# Altium PCB wifi-plug.PcbDoc
Units mm, origin at the board's own origin, x right, y up, seen from the top; angles counter-clockwise.
Board outline 78.5 x 47 mm, 2 copper layers (Top Layer, Bottom Layer); 62 components, 37 nets, 164 pads, 69 vias.
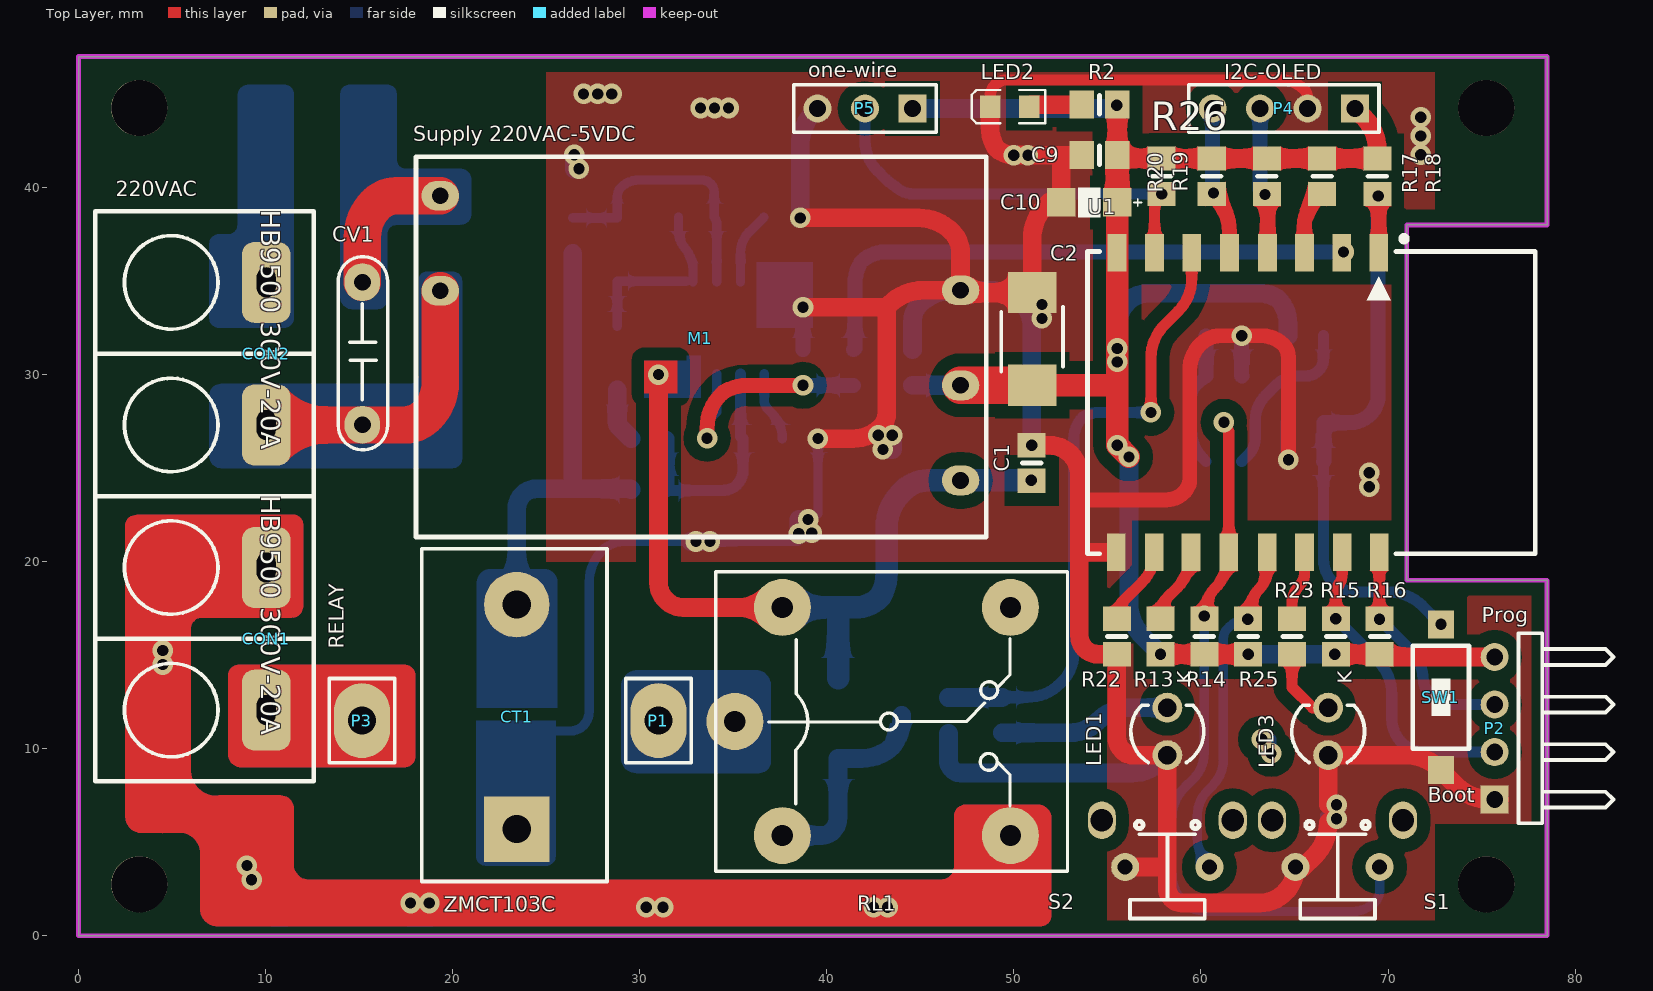
[diagram p0: Top Layer view]
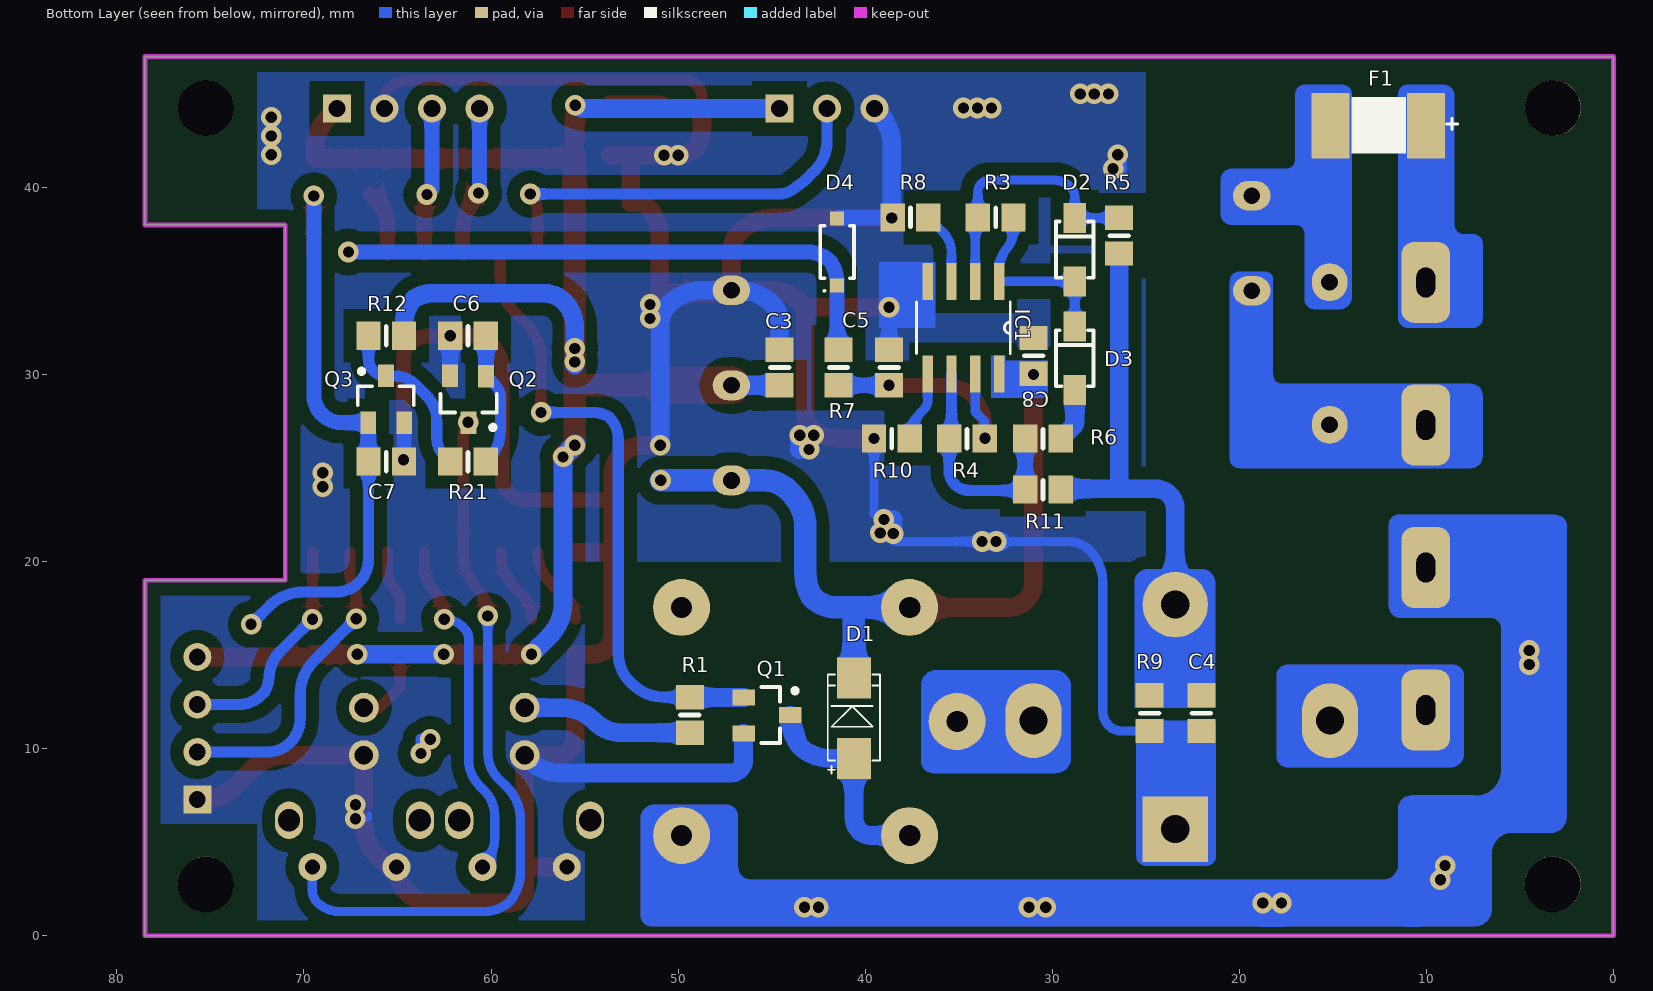
[diagram p1: Bottom Layer view, seen from below]
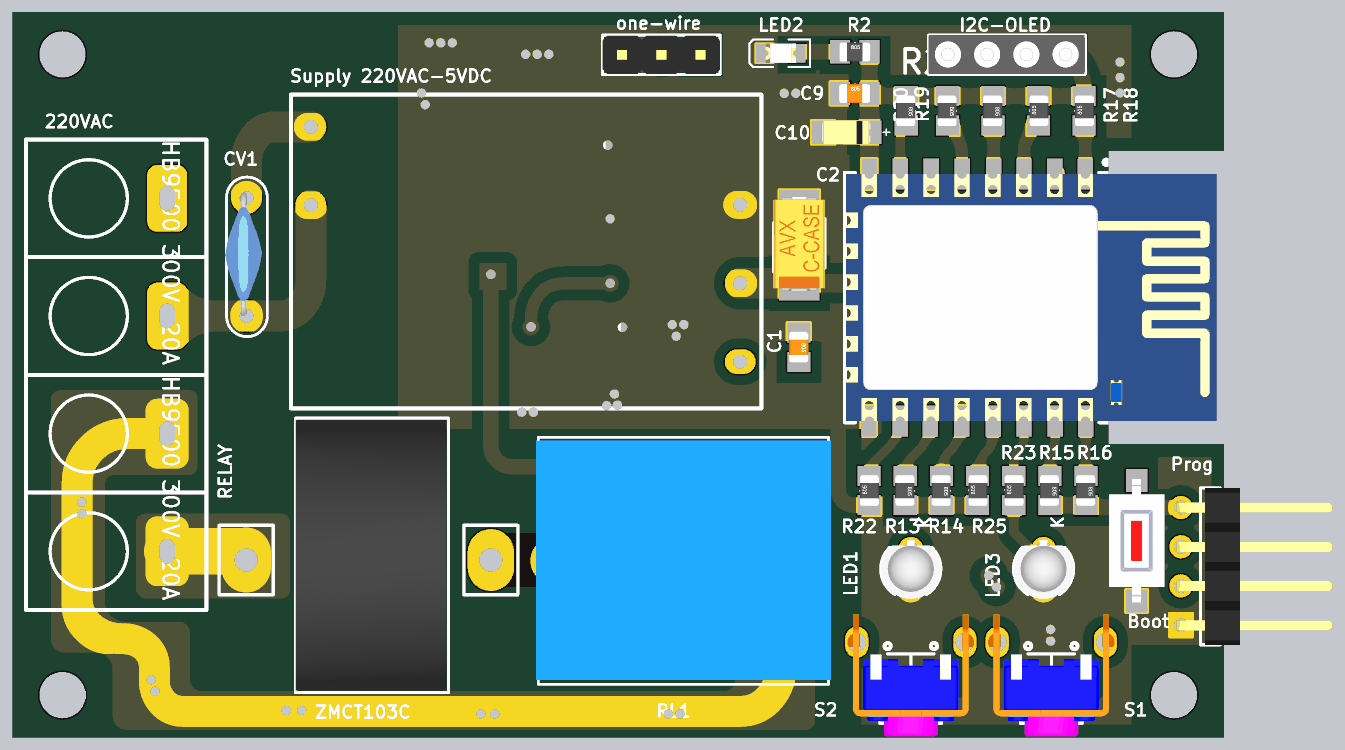
[diagram p2: 3D render of the assembled board from above, using the file's embedded part models]
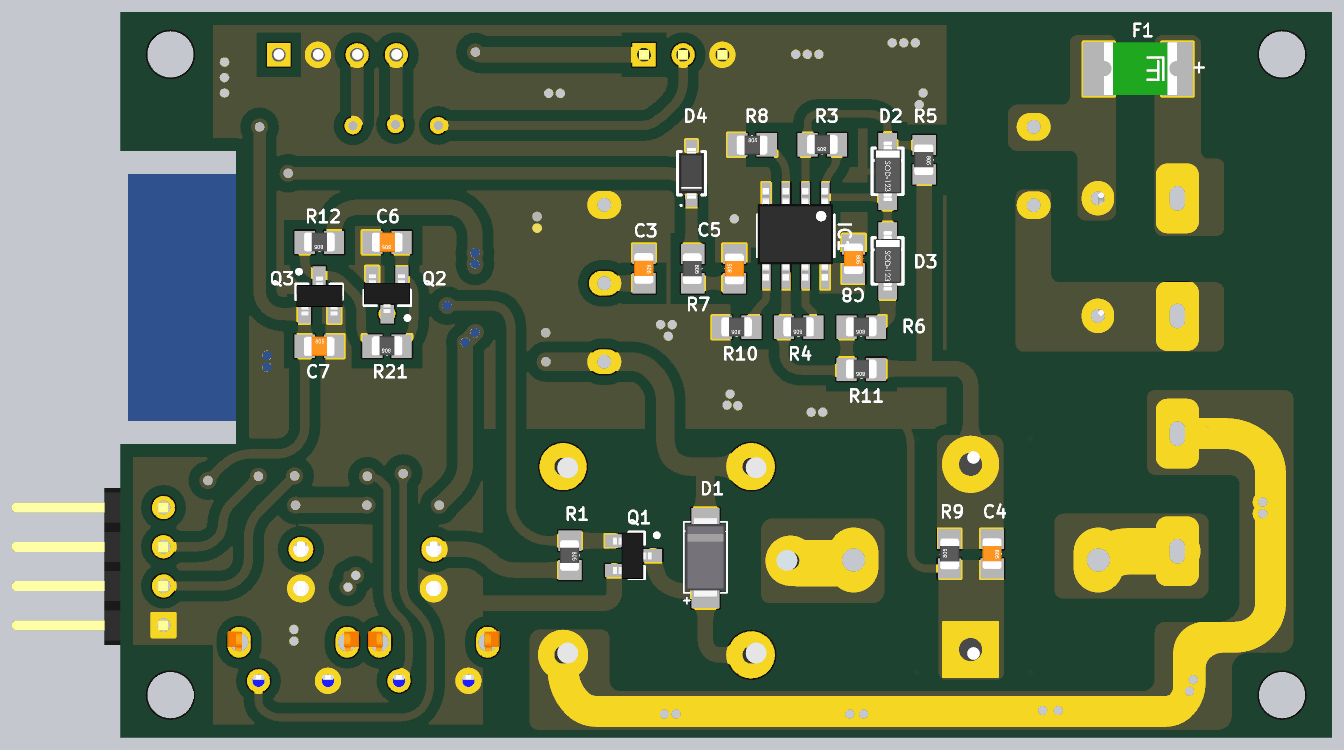
[diagram p3: 3D render of the assembled board from below, using the file's embedded part models]

## Layer stack, top to bottom
Top Solder: solder mask 0.0102, Solder Resist, Dk 3.5
Top Layer: signal copper 0.0356
Dielectric 1: dielectric 0.32, FR-4, Dk 4.8
Bottom Layer: signal copper 0.0356
Bottom Solder: solder mask 0.0102, Solder Resist, Dk 3.5

## Board outline
0,0 78.5,0 78.5,19 71,19 71,38 78.5,38 78.5,47 0,47 0,0

## Design rules (kind name [scope] priority, off if disabled: settings)
Clearance Clearance_1 [All vs InPolygon] p1: gap=0.7
Clearance [All] p2: gap=0.254
PlaneConnect [All] p1: planeconnectstyle=Direct reliefexpansion=0.508 reliefentries=4 reliefconductorwidth=0.254 reliefairgap=0.254
PolygonConnect [All] p1: connectstyle=Direct reliefconductorwidth=0.254 reliefentries=4 polygonreliefangle="90 Angle" airgapwidth=0.254
RoomDefinition wifi-plug [InComponentClass('wifi-plug')] p1: confinementstyle=ConfineIn formatcopy=TRUE lockcomponents=FALSE outline 108.943,-37.949 490.959,-37.949 490.959,-4.421 108.943,-4.421
RoutingVias [All] p1: holewidth=0.6 width=1.1 viastyle="Through Hole" minholewidth=0.6 minwidth=1.1 maxholewidth=0.6 maxwidth=1.1
SolderMaskExpansion [All] p1: expansion=0.102
Width [All] p1: maxlimit=2.54 minlimit=0.254 preferedwidth=1.016
29 further rules are at their usual default settings.

## Components (designator, comment, footprint, x,y, rotation, side; value= is the part's Value field where it differs from the comment)
C1 "100nF/50V" C0805 50.95,25.275 r270 top
C2 "47uF/16V" C2312 50.975,29.425 r270 top
C3 "100nF/50V" C0805 44.575,30.375 r270 bottom
C4 "0.1uF" C0805 22.025,11.9 r270 bottom
C5 "0.1uF" C0805 38.725,30.375 r90 bottom
C6 "2.2uF" C0805 61.225,32.075 r0 bottom
C7 "0.1uF" C0805 65.6,25.35 r180 bottom
C8 "100nF/50V" C0805 31,31 r270 bottom
C9 "100nF/50V" C0805 54.575,41.725 r0 top
C10 "10uF/50V" C1206 55.425,39.2 r180 top
CON1 "Terminal 2" domino-2pin-7.62 10.033,15.875 r270 top
CON2 "Terminal 2" domino-2pin-7.62 10.033,31.115 r270 top
CT1 "ZMCT103C" ZMCT103C 23.425,5.7 r90 top
CV1 "Cap1" C_Ceramic_KV 15.175,31.125 r90 top
D1 "1N4148" "DO-214AC (SMA)" 41.1,10.375 r90 bottom
D2 "MBR0520T1G" "SOD-123 W" 28.8,36.675 r90 bottom
D3 "MBR0520T1G" "SOD-123 W" 28.8,30.875 r90 bottom
D4 "Zener 3V3" SOD-123 41.5,36.55 r90 bottom
F1 "Fuse Thermal" PTC1812 12.725,43.3 r270 bottom
IC1 "LM358" SOIC8 34.75,32.5 r270 bottom
LED1 "150080RS75000" led-3mm 58.2,10.925 r90 top
LED2 "150080RS75000" LED_0805_Red 49.775,44.325 r180 top
LED3 "150080RS75000" led-3mm 66.8,10.925 r90 top
M1 "Apdapter" Module-Supply 18.042,41.642 r0 top locked
P1 "Header 1" "PAD 1" 31,11.5 r180 top
P2 "Header 4" HDR1X4H 75.7,7.28 r90 top
P3 "Header 1" "PAD 1" 15.15,11.5 r0 top
P4 "OLED" "HDR1X4 - FEMALE" 68.24,44.225 r180 top
P5 "Header 3" HDR1X3 44.58,44.225 r180 top
Q1 "LN2302" SOT23-3 45.25,11.8 r270 bottom
Q2 "LN2302" SOT23-3 61.2,28.675 r0 bottom
Q3 "LN2302" SOT23-3 65.625,28.675 r180 bottom
R1 "1k" R0805 49.375,11.8 r270 bottom
R2 "1k" R0805 54.575,44.426 r0 top
R3 "10k" R0805 33.025,38.4 r0 bottom
R4 "1.2M/1%" R0805 34.563,26.575 r0 bottom
R5 "10k/1%" R0805 26.425,37.425 r270 bottom
R6 "12k/1%" R0805 30.5,26.575 r0 bottom
R7 "330/1%" R0805 41.425,30.375 r270 bottom
R8 "10k/1%" R0805 37.575,38.4 r180 bottom
R9 "50" R0805 24.8,11.9 r90 bottom
R10 "100k/1%" R0805 38.575,26.575 r0 bottom
R11 "24k/1%" R0805 30.5,23.85 r0 bottom
R12 "470k" R0805 65.6,32.075 r0 bottom
R13 "10k" R0805 57.842,16 r270 top
R14 "10k" R0805 60.183,16 r270 top
R15 "10k" R0805 67.208,16 r270 top
R16 "10k" R0805 69.55,16 r270 top
R17 "10k" R0805 66.475,40.6 r90 top
R18 "10k" R0805 69.425,40.6 r90 top
R19 "4.7k" R0805 63.525,40.6 r270 top
R20 "4.7k" R0805 60.575,40.6 r270 top
R21 "100k" R0805 61.225,25.35 r0 bottom
R22 "10k" R0805 55.5,16 r90 top
R23 "330" R0805 64.867,16 r90 top
R25 "10k" R0805 62.525,16 r90 top
R26 "4.7k" R0805 57.9,40.6 r270 top
RL1 "Relay SPDT, 10A, 12V" RL_SPDT_10A 35.085,11.454 r0 top locked
S1 "SW-SMD" "Button Tactile Switch" 67.3,4.925 r0 top
S2 "SW-SMD" "Button Tactile Switch" 58.2,4.925 r0 top
SW1 "SW2" SMD(2) 72.825,12.75 r90 top
U1 "ESP8266_ESP07" ESP_12 69.5,36.5 r270 top locked

## Footprints (in the part's own frame and the unit in brackets; to place one, negate y for a bottom-side part, rotate by r counter-clockwise, add the part's x,y. Pads: shape width x height; smd on the part's side, far side on the other; paste and mask are expansions set on the pad)
"Button Tactile Switch" [mm]
  oval 1.5x2 hole 1.2: 0(-3.5,1.25) 0(3.5,1.25)
  round 1.5 hole 0.8: 1(-2.25,-1.25) 2(2.25,-1.25)
  silkscreen extent -2,-4 2,1.2, body extent -4.25,-4.85 4.25,3.05, height 7.4
C0805 [mm] "Chip Capacitor; Body 2.0 x 1.2 mm (LxW typ)"
  rect 1.3x1.5 smd: 1(0.95,0) 2(-0.95,0)
  silkscreen extent 0,-0.5 0,0.5, body extent -1.02,-0.64 0.98,0.62, height 0.78
C1206 [mil]
  rect 60x60 smd: 1(-3.93,0) 2(114.18,0)
  silkscreen extent -55,-31 79,31, body extent -8,-31 118,31, height 63
C2312 [mm] "Chip Capacitor, 2-Leads, Body 7.30x4.30mm, IPC Medium Density"
  rect 2.2x2.6 smd: 1(0,0) 2(-4.953,0)
  silkscreen extent -4.19,-1.65 -0.74,1.65, body extent -5.59,-1.68 0.51,1.67, height 2.7
C_Ceramic_KV [mm]
  oval 2.032x1.905 hole 0.9: 1(-3.81,0) 2(3.81,0)
  silkscreen extent -5.15,-1.35 5.18,1.3, body extent -3.81,-1 4.19,1.4, height 9.05
"DO-214AC (SMA)" [mm]
  rect 2.2x1.8 smd: 1(-0.899,-0.5) 2(3.397,-0.5)
  silkscreen extent -1.7,-1.9 3.6,0.9, body extent -1.3,-1.8 3.9,0.8, height 2.3
domino-2pin-7.62 [mm] "domino-2pin-7.62"
  rrect50% 4.318x2.588 hole 1 slot 1.6 at 0 deg: 1(-3.81,0) 2(3.81,0)
  silkscreen extent -7.62,-9.14 7.62,2.54
ESP_12 [mm] "ESP-12 Wi-Fi Module by AI-Thinker"
  rect 2x1 smd: 1(0,0) 2(0,-1.97) 3(0,-3.97) 4(0,-5.94) 5(0,-7.98) 6(0,-9.99) 7(0,-11.98) 8(0,-13.99) 9(16,-14.03) 10(16,-11.99) 11(16,-10.03) 12(16,-8.01) 13(16,-5.95) 14(16,-3.97) 15(16,-1.95) 16(16,0.03)
  silkscreen extent -0.91,-15.57 16.08,8.37, body extent 0,-15.49 16,8.51, height 2.75
HDR1X3 [mm] "Connector; Header; 3 Position"
  rect 1.5x1.5 hole 0.9: 1(0,0)
  round 1.5 hole 0.9: 2(2.54,0) 3(5.08,0)
  silkscreen extent -1.27,-1.27 6.35,1.27, body extent -1.27,-1.24 6.35,1.25, height 8.54
"HDR1X4 - FEMALE" [mm] "Connector; Header; 4 Position"
  rect 1.5x1.5 hole 0.9: 1(0,0)
  round 1.5 hole 0.9: 2(2.54,0) 3(5.08,0) 4(7.62,0)
  silkscreen extent -1.27,-1.27 8.89,1.27, body extent -1.25,-1.29 8.91,1.25, height 6.02
HDR1X4H [mm] "Connector; Header; 4 Position; Right Angle"
  rect 1.5x1.5 hole 0.9: 1(0,0)
  round 1.5 hole 0.9: 2(2.54,0) 3(5.08,0) 4(7.62,0)
  silkscreen extent -1.27,-6.35 8.89,-1.27, body extent -1.28,-9.83 8.88,0.3, height 2.51
led-3mm [mm]
  round 1.6 hole 1: 1(1.27,0) 2(-1.27,0)
  silkscreen extent -1.66,-1.95 1.4,1.95, body extent -1.93,-1.94 1.87,1.94, height 10.5
LED_0805_Red [mm] "Chip LED, 2-Leads, Body 2.0x1.3mm, IPC Medium Density"
  rect 1.1x1.2 smd: 1(-1.05,0) 2(1.05,0)
  silkscreen extent -1.91,-0.89 2.03,0.89, body extent -1,-0.63 1,0.62, height 0.68
Module-Supply [mm]
  oval 2x1.6 hole 0.9: 1(1.295,-2.083) 2(1.295,-7.163) 3(29.108,-17.297) 4(29.108,-12.217) 5(29.108,-7.137)
  silkscreen extent 0,-20.32 30.48,0
"PAD 1" [mm]
  oval 3x4 hole 1.5: 1(0,0)
  silkscreen extent -1.75,-2.25 1.75,2.25
PTC1812 [mm]
  rect 3.5x2.032 smd: 1(0,2.7) 2(0,-2.395)
  silkscreen extent -1.53,-1.27 1.47,4.4, body extent -1.73,-2.06 1.68,2.67, height 1.34
R0805 [mm] "Chip Resistor; Body 2.0 x 1.2 mm (LxW typ)"
  rect 1.3x1.5 smd: 1(0.95,0) 2(-0.95,0)
  silkscreen extent 0,-0.5 0,0.5, body extent -1,-0.65 1,0.6, height 0.78
RL_SPDT_10A [mil]
  round 120 hole 45: 1(0,0) 2(580,240) 3(580,-240) 4(100,-240) 5(100,240)
  silkscreen extent -40,-315 700,315, body extent -46,-304 706,306, height 602
SMD(2) [mm]
  rect 1.5x1.4 smd: 1(-3.9,0) 2(3.9,0)
  silkscreen extent -2.75,-1.5 2.75,1.5, body extent -4,-1.8 4,1.8, height 2.55
SOD-123 [mm]
  rect 0.75x0.75 smd: 1(-1.8,0) 2(1.8,0)
  silkscreen extent -2.12,-0.9 1.4,0.9, body extent -1.65,-0.8 1.65,0.8, height 1.2
"SOD-123 W" [mm]
  rect 1.6x1.2 smd: 1(-1.7,0) 2(1.7,0)
  silkscreen extent -1.5,-1 1.5,1, body extent -1.92,-0.86 1.93,0.84, height 1.43
SOIC8 [mil]
  rect 78x22 smd: 1(-97,75) 2(-97,25) 3(-97,-25) 4(-97,-75) 5(97,-75) 6(97,-25) 7(97,25) 8(97,75)
  silkscreen extent -54,-99 54,99, body extent -122,-97 114,95, height 69
SOT23-3 [mm] "2N7002KT1G"
  rect 0.85x1.2 smd: 1(-0.94,-1.245) 2(0.985,-1.25) 3(0.005,1.25)
  silkscreen extent -1.5,-0.3 1.5,1.62, body extent -1.47,-1.33 1.53,1.17, height 1.06
ZMCT103C [mm] "Connector; Header; 2 Position"
  rect 3.5x3.5 hole 1.5: 1(0,0)
  round 3.5 hole 1.5: 2(12,0)
  silkscreen extent -2.79,-4.83 14.99,5.08, body extent -2.67,-4.7 14.86,5.08, height 22.83

## Part data
C1 C3 C8 C9 C10: library part "Cap Semi", "Capacitor 100n 16V 0603"
C2: library part "Cap Pol3", "Polarized Capacitor (Surface Mount)"
C4 C5 C6 C7: library part "CM Ceramic", "SMD Ceramic  Capacitor"
CT1: library part "Header 2", "Header, 2-Pin"
CV1: "Polar Capacitor"
D1 D2 D3: library part "Diode Normal", "Diode Normal"
D4: library part "Diode Zener", "Zener Voltage Regulators"
F1: "Thermal Fuse"
IC1: "Low-Power Dual Operational Amplifier"
LED1 LED2 LED3: library part led-0805, "SMD mono-color Chip LED, WL-SMCW, Red"
M1: library part Module_Supply
P1 P3: "Header, 1-Pin"
P2: "Header, 4-Pin"
P4: library part "Header 4", "Header, 4-Pin"
P5: "Header, 3-Pin"
Q1 Q2 Q3: library part MOSFET-N, "N-Channel MOSFET"
R1 R2 R3 R4 R5 R6 R7 R8 R9 R10 R11 R12 R13 R14 R15 R16 R17 R18 R19 R20 R21 R22 R23 R25 R26: library part RM, "Resistor SMD"
RL1: library part "Relay 1", "Relay SPDT,10A - 12VDC 5 Pin"
S1 S2: "Switch"

## Free pads (board coordinates)
  round 3 hole 3 unplated: 0(3.25,2.75) 0(3.25,44.25) 0(75.25,2.75) 0(75.25,44.25)

## Via types
v1: diameter 1.1, hole 0.6, Top Layer to Bottom Layer, tented both sides, 33 vias
v2: diameter 1.1, hole 0.6, Top Layer to Bottom Layer, tented bottom, 15 vias
v3: diameter 1.1, hole 0.6, Top Layer to Bottom Layer, 13 vias
v4: diameter 1.1, hole 0.6, Top Layer to Bottom Layer, tented top, 8 vias

## Nets (pads, with @x,y where several pads share a name; then routed paths per layer and width w, separated by ;. In a path a pad name is that pad's centre, name@x,y a point inside that pad or via, vN(x,y) a via of type N, cw(c..) or ccw(c..) an arc to the next point about the centre after c; other vN are vias at no path point)
1WIRE: P5.2 R26.1 U1.7 | length 22.4
  Top Layer w0.6: U1.7 57.52,38.733 cw(c58.817,38.733) v3(57.9,39.65)
  Bottom Layer w0.6: P5.2 42.04,42.493 ccw(c44.293,42.493) 42.7,40.9 43.147,40.453 ccw(c44.943,42.249) 43.641,40.068 ccw(c44.651,41.078) 44.651,39.65 v3(57.9,39.65)
3V3: C2.1 C3.1 C9.1 C10.1 M1.4 P2.4 P4.1 P5.1 R2.1 R12.2 R13.1 R14.1 R15.1 R16.1 R17.1 R18.1 R19.2 R20.2 R25.2 R26.2 U1.8 | length 100.9
  Top Layer w1: R2.1@55.525,44.4 C9.1 55.7,41.55 R26.2 R20.2 R19.2 R17.1 R18.1 69.425,41.988 ccw(c66.885,41.988) 68.681,43.784 P4.1 ; v2(57.842,15.05) R14.1 v2(62.525,15.05) ; R15.1 R16.1 69.7,14.9 P2.4 P2.4@75.75,14.9
  Top Layer w1.2: C2.1 55.51,29.425 ; C9.1 C10.1 v1(55.525,31.4) v1(55.525,30.675) v1(55.525,26.225) v1(56.15,25.6)
  Top Layer w2: M1.4 C2.1
  Bottom Layer w1: C3.1 M1.4 ; P5.1 55.078,44.225 ccw(c55.078,44.822) v2(55.5,44.4) ; v1@55.525,30.5 v1(55.525,30.675) v1(55.525,31.4) 55.525,32.512 cw(c57.488,32.512) 56.1,33.9 cw(c57.186,32.814) 57.186,34.35 63.065,34.35 cw(c63.065,32.304) 64.087,34.077 cw(c62.726,32.717) 64.65,32.717 R12.2 ; v1(56.15,25.6) 56.15,17.794 ccw(c58.69,17.794) 56.894,15.998 v2(57.842,15.05) ; v2(62.525,15.05) v2(67.15,15.05)
ADC: D4.1 R7.2 U1.2 | length 30.8
  Bottom Layer w0.8: R7.2 41.5,31.4 D4.1 41.5,34.827 cw(c43.814,34.827) 41.832,36.021 cw(c43.109,34.743) 43.109,36.55 v2(67.625,36.55) v2@67.569,36.606
BUTTON: R25.1 S2.2 U1.13 | length 18.4
  Top Layer w0.6: R25.1 62.525,17.084 cw(c64.616,17.084) 63.137,18.562 ; 63.137,18.563 ccw(c62.142,19.558) 63.55,19.558 U1.13
  Bottom Layer w0.5: S2.2 cw(c62.019,5.244) 59.8,5.244 59.8,6.4 cw(c61.731,6.4) 60.366,7.766 60.6,8 ccw(c59.151,9.449) 61.2,9.449 61.2,15.917 cw(c61.883,15.917) 61.4,16.4 61.518,16.518 cw(c62.5,15.537) v2(62.5,16.925)
GND: C1.2 C2.2 C3.2 C4.1 C5.1 C6.1 C7.1 C8.2 C9.2 C10.2 CT1.1 D4.2 IC1.4 LED1.2 LED2.2 LED3.2 M1.5 P2.1 P4.2 P5.3 Q1.2 Q2.2 Q3.2 R8.2 R9.2 R10.1 R22.2 S1.1 S2.1 SW1.1 U1.9 | length 247.6
  Top Layer w0.6: LED2.2 48.725,44.836 cw(c49.664,44.836) 49,45.5 cw(c49.604,44.896) 49.604,45.75 64.293,45.75 cw(c64.293,44.043) 65.5,45.25 cw(c65.017,44.767) 65.7,44.767 P4.2
  Top Layer w0.8: 53.5,23.3 58.134,23.3 ccw(c58.134,24.666) 59.1,23.7 ccw(c58.376,24.424) 59.4,24.424 59.4,30.237 cw(c61.363,30.237) 59.975,31.625 cw(c61.061,30.539) 61.061,32.075 v4(62.175,32.075) 63.253,32.075 cw(c63.253,30.453) 64.4,31.6 cw(c63.736,30.936) 64.675,30.936 v4(64.675,25.45)
  Top Layer w1: v4(38.575,38.375) 44.891,38.375 cw(c44.891,35.835) 46.687,37.631 ; v1(38.725,33.6) 43.2,33.6 ; v4(39.525,26.575) 41.391,26.575 ccw(c41.391,28.709) 42.9,27.2 ccw(c42.176,27.924) 43.2,27.924 43.2,33.6 ; 46.688,37.63 cw(c45.57,36.514) 47.084,36.966 cw(c45.57,36.514) 47.15,36.514 M1.5 ; LED2.2 48.725,43.234 ccw(c50.859,43.234) 49.037,42.123 ccw(c49.997,43.083) v1(49.997,41.725) ; v1(50.75,41.725) 52.4,41.725 ; v2(50.95,26.225) 51.875,26.225 cw(c51.875,24.6) 53.5,24.6 53.5,23.3 53.5,20.225 ; C9.2 52.4,41.725 ; U1.9 53.775,20.5 53.5,20.225 ; S2.1 58.025,3.675 cw(c58.025,3.5) 58.2,3.5 ; v1@66.8,6.053 cw(c64.26,6.053) 66.679,5.28 cw(c64.26,6.053) 66.517,4.889 cw(c64.26,6.053) 66.056,4.257 65.474,3.675 S1.1 cw(c63.125,3.675) 63.125,1.75 59,1.75 cw(c59,2.55) 58.2,2.55 58.2,3.5 ; v1@66.8,7 LED3.2 70.968,9.655 cw(c70.968,7.115) 72.764,8.911 SW1.1 73.651,8.024 ccw(c75.447,9.82) 75.447,7.28 P2.1 P2.1@75.96,7.28 ; 43.2,33.6 43.361,33.761 cw(c45.157,31.965) 45.157,34.505 M1.5 ; M1.5 47.277,34.378 C2.2 50.975,37.257 cw(c53.515,37.257) 51.719,39.053 51.866,39.2 C10.2 52.525,41.423 ccw(c52.098,41.423) 52.4,41.725 ; 53.5,20.225 53.5,16.05 ccw(c54.5,16.05) 54.5,15.05 R22.2 55.5,10.624 ccw(c56.524,10.624) 55.8,9.9 ccw(c56.391,10.491) 56.391,9.655 LED1.2 58.2,3.5
  Top Layer w1.016: v1(49.997,41.725) v1(50.75,41.725)
  Bottom Layer w0.254: v1@26.75,45 v1(27,45) v1(27.75,45) v1(28.5,45) ; v1(33.25,44.25) v1(34,44.25) v1(34.75,44.25) ; 66.5,6.5 66.5,6.25 v1(67.25,6.25) v1(67.25,7) ; v1(69,24) v1(69,24.75) ; v1(71.75,41.75) v1(71.75,42.75) v1(71.75,43.75)
  Bottom Layer w0.5: R9.2 26.311,10.95 ccw(c26.311,11.889) 26.975,11.225 ; 26.976,11.226 ccw(c26.19,12.01) 27.3,12.01 27.3,18.91 cw(c29.69,18.91) 28,20.6 cw(c29.147,19.453) 29.147,21.075 v1@32.75,21.075 ; v1(33.75,21.075) v1@38.457,21.075 ; 38.65,32.675 38.725,32.6 ; 39.525,22.567 v4(39.525,26.575)
  Bottom Layer w0.8: C4.1 23.275,10.95 ; CT1.1 23.425,10.8 23.275,10.95 ; R9.2 23.275,10.95 ; IC1.4 cw(c36.655,33.259) 37.861,34.464 v1(38.725,33.6) 38.725,32.6 C5.1 ; R8.2@38.575,38.4 41.45,38.4 D4.2 ; v4(62.175,32.075) 62.175,29.936 Q2.2 ; C7.1@64.64,25.45 Q3.2
  Bottom Layer w1: v4(38.575,38.375) 38.575,38.4 38.575,42.248 cw(c41.115,42.248) 39.319,44.044 P5.3 ; C3.2 44.575,32.829 cw(c45.893,32.829) 44.961,33.761 cw(c46.757,31.965) 46.757,34.505 M1.5 48.693,34.505 cw(c48.693,31.965) 50.489,33.761 cw(c49.376,32.648) 50.95,32.648 v2(50.95,26.225) ; Q1.2 46.5,9.383 ccw(c47.183,9.383) 46.7,8.9 ccw(c47.183,9.383) 47.183,8.7 56.3,8.7 ccw(c56.3,10.981) 57.913,9.368 LED1.2
  Bottom Layer w1.016: v1(26.5,41.75) 26.5,41 v1(26.75,41) ; v1@32.75,21.075 v1(33,21.075) v1(33.75,21.075) ; v1(38.5,21.5) 38.5,22.25 v1(39,22.25) 39,21.536 v1(39.199,21.536) ; v1(42.75,26.75) v1(43.5,26.75) 43.5,26 v1(43,26) ; v2(51.5,33) v2(51.5,33.75)
GPIO0: Q2.3 R14.2 S1.2 U1.12 | length 39.4
  Top Layer w0.6: R14.2 60.183,17.213 cw(c62.105,17.213) 60.746,18.571 ccw(c58.95,20.367) 61.49,20.367 U1.12 61.49,26.81 ccw(c60.585,26.81) v4@61.226,27.449
  Bottom Layer w0.5: v2(60.175,17.1) 60.175,9.788 cw(c58.212,9.788) 59.6,8.4 59.15,7.95 ccw(c60.9,6.2) 58.425,6.2 58.425,3.427 ccw(c60.965,3.427) 58.959,1.868 ccw(c60.332,3.241) 60.332,1.3 68.093,1.3 ccw(c68.093,3.007) 69.3,1.8 ccw(c68.696,2.404) 69.55,2.404 S1.2
  other v4: 61.225,27.45
LED_STT: R23.1 U1.14 | length 3.7
  Top Layer w0.6: R23.1 64.867,17.729 cw(c66.346,17.729) 65.3,18.775 ccw(c64.745,19.33) 65.53,19.33 U1.14
NetC4_2: C4.2 CT1.2 R5.1 R9.1 R11.2 | length 32.1
  Bottom Layer w0.8: C4.2 23.45,12.85 ; CT1.2 23.425,12.875 23.45,12.85 ; R9.1 23.45,12.85
  Bottom Layer w1: CT1.2 23.425,22.825 cw(c24.5,22.825) 24.5,23.9 26.425,23.9 ; R5.1 26.425,23.9 ; R11.2 29.5,23.9 26.425,23.9
NetC5_2: C5.2 IC1.7 R4.2 R7.1 | length 13.4
  Top Layer w0.8: v4(33.6,26.6) 33.6,27.143 cw(c36.14,27.143) 34.344,28.939 34.464,29.059 cw(c35.777,26.885) 35.777,29.425 v4(38.725,29.425)
  Bottom Layer w0.5: R4.2 33.612,27.497 34.115,28 IC1.7
  Bottom Layer w0.8: v4(38.725,29.425) R7.1
NetC6_2: C6.2 Q2.1 R21.2 | length 7.2
  Bottom Layer w0.6: 59.754,29.413 ccw(c60.368,28.8) 59.5,28.8 59.5,27 ccw(c61.612,27) 60.119,25.506 R21.2 ; 59.754,29.414 Q2.1
  Bottom Layer w0.8: Q2.1 60.26,32.039 cw(c60.311,32.039) C6.2
NetCON1_1: CON1.1 RL1.3 | length 34.8
  Bottom Layer w1.016: v3(30.35,1.525) v3(31.25,1.525) ; v3(42.5,1.525) v3(43.25,1.525)
  Bottom Layer w2: v3(4.5,15.25) 4.5,18.4 5.785,19.685 CON1.1 ; v3(31.25,1.525) v3(42.5,1.525) ; v3(43.25,1.525) 47.925,1.525 49.817,3.417 RL1.3
  Bottom Layer w2.54: v3(9,3.75) 9,2.75 v3(9.25,3) ; 10.5,2.25 10.5,1.75 11,1.75 ; v3(17.75,1.75) v3(18.75,1.75)
  other v3: 4.5,14.5
NetCON1_2: CON1.2 P3.1 | length 5.4
  Bottom Layer w2: CON1.2 14.585,12.065 P3.1
NetCON2_1: CON2.1 F1.1 | length 8.4
  Bottom Layer w2: F1.1 10.025,34.933 CON2.1
NetCON2_2: CON2.2 CV1.1 M1.2 | length 31.1
  Top Layer w2: CON2.2 17.405,27.305 ccw(c17.405,28.995) 18.6,27.8 ccw(c16.821,29.579) 19.337,29.579 M1.2
  Bottom Layer w2: CON2.2 15.165,27.305 CV1.1 17.64,27.315 19.337,29.012 M1.2
NetCV1_2: CV1.2 F1.2 M1.1 | length 20.7
  Top Layer w2: CV1.2 15.175,37.35 cw(c17.65,37.35) 15.9,39.1 cw(c17.01,37.99) 17.01,39.56 M1.1
  Bottom Layer w2: F1.2 15.12,39.675 ; CV1.2 15.12,34.99 15.12,39.56 ; M1.1 15.236,39.56 ; 15.12,39.56 15.236,39.56 ; 15.12,39.56 15.12,39.675 ; 15.12,39.675 15.236,39.56
NetD1_1: D1.1 Q1.3 RL1.4 | length 11.5
  Bottom Layer w1: RL1.4 39.716,5.358 ccw(c39.716,6.184) 40.3,5.6 ccw(c39.575,6.325) 40.6,6.325 D1.1 41.85,9.476 ccw(c41.85,11.872) 43.545,10.178 ccw(c41.46,11.629) 44,11.629 Q1.3
NetD2_1: D2.1 D3.2 IC1.1 R3.2 | length 9.7
  Bottom Layer w0.5: D3.2 D2.1 28.814,34.989 32.495,34.989 ; R3.2 32.075,37.68 ccw(c33.509,37.68) 32.318,36.882 ccw(c33.509,37.68) 32.495,36.666 cw(c30.933,35.563) 32.845,35.563 IC1.1
NetD2_2: D2.2 IC1.2 R3.1 R5.2 | length 14.3
  Bottom Layer w0.5: R5.2 D2.2 28.8,39.517 cw(c29.483,39.517) 29,40 cw(c29.966,39.034) 29.966,40.4 33.317,40.4 cw(c33.317,39.717) 33.8,40.2 cw(c33.377,39.777) 33.975,39.777 R3.1 cw(c33.637,38.062) 34.115,38.062 IC1.2
NetD3_1: D3.1 R6.2 | length 2.9
  Bottom Layer w1: D3.1 28.8,27.325 R6.2
NetIC1_3: IC1.3 R8.1 | length 3.9
  Bottom Layer w0.5: IC1.3 35.385,36.5 cw(c36.978,36.5) 35.851,37.626 ; 35.852,37.627 R8.1
NetIC1_5: IC1.5 R10.2 | length 3.8
  Bottom Layer w0.5: IC1.5 36.655,28.631 ccw(c37.345,28.631) 36.857,28.143 37.059,27.941 cw(c35.694,26.575) R10.2
NetIC1_6: IC1.6 R4.1 R6.1 R11.1 | length 12.6
  Bottom Layer w0.6: R11.1 31.5,23.8 34.357,23.8 ccw(c34.357,25.234) 35.064,23.987 35.215,24.137 ccw(c34.496,24.856) 35.513,24.856 R4.1 35.385,26.703 IC1.6
  Bottom Layer w0.8: R11.1 R6.1
NetLED1_1: LED1.1 R1.1 | length 9.2
  Bottom Layer w1: R1.1 53.001,10.85 ccw(c53.001,12.899) 54.45,11.45 54.451,11.451 cw(c56.247,9.655) 56.247,12.195 LED1.1
NetLED2_1: LED2.1 R2.2 | length 2.8
  Top Layer w1: LED2.1 50.926,44.426 R2.2
NetLED3_1: LED3.1 R23.2 | length 4.2
  Top Layer w0.6: R23.2 64.867,13.283 65.955,12.195 LED3.1
NetP1_1: P1.1 RL1.1 | length 4.1
  Bottom Layer w2: P1.1 35.039,11.5 RL1.1
NetQ3_3: Q3.3 R12.1 R21.1 | length 9.1
  Bottom Layer w0.6: R21.1 62.529,25.704 ccw(c61.633,26.6) 62.9,26.6 62.9,27.521 cw(c64.842,27.521) 63.468,28.893 cw(c64.842,27.521) 63.469,28.894 64.037,29.463 ; 64.038,29.463 cw(c65.154,28.346) 65.154,29.925 Q3.3 ccw(c65.62,30.855) 66.55,30.855 R12.1
NetR13_2: R13.2 U1.11 | length 4.1
  Top Layer w0.6: R13.2 57.842,17.175 cw(c59.15,17.175) 58.225,18.1 58.726,18.601 ccw(c56.93,20.397) 59.47,20.397 U1.11
NetR17_2: R17.2 U1.3 | length 3.5
  Top Layer w0.8: U1.3 65.53,38 cw(c67.232,38) 66.029,39.203 R17.2
NetR22_1: R22.1 U1.10 | length 4.2
  Top Layer w0.6: R22.1 cw(c56.949,16.95) 55.924,17.974 56.845,18.895 ; 56.846,18.896 ccw(c55.241,20.5) U1.10
RELAY: Q1.1 R1.2 U1.6 | length 33.7
  Top Layer w0.6: v1(57.325,27.975) 57.325,30.9 cw(c59.8,30.9) 58.05,32.65 58.766,33.366 ccw(c56.97,35.162) 59.51,35.162 U1.6
  Bottom Layer w0.6: R1.2 50.698,12.75 ccw(c50.698,15.29) 52.494,13.494 52.564,13.564 ; 52.564,13.564 ccw(c51.027,15.1) 53.2,15.1 53.2,26.559 cw(c54.851,26.559) 53.684,27.726 cw(c54.547,26.353) 54.547,27.975 v1(57.325,27.975)
  Bottom Layer w1: Q1.1 49.365,12.74 R1.2
RESET: C7.2 Q3.1 R18.2 SW1.2 U1.1 | length 32.6
  Top Layer w0.8: U1.1 R18.2@69.5,39.55
  Bottom Layer w0.6: C7.2 66.55,20.125 ccw(c68.3,20.125) 68.3,18.375 70.048,18.375 cw(c70.048,15.835) 71.844,17.631 v2(72.825,16.65)
  Bottom Layer w0.8: C7.2 66.565,25.365 Q3.1 67.98,27.43 ccw(c67.98,28.925) 69.475,28.925 v2(69.475,39.55)
RXD: P2.2 R15.2 U1.15 | length 17.3
  Top Layer w0.6: v2(67.208,16.95) 67.208,18.301 cw(c68.077,18.301) 67.255,18.583 ; U1.15 67.55,19.358 cw(c66.383,19.358) 67.463,18.915 ; 67.255,18.583 ccw(c66.383,19.358) 67.463,18.915 ; 67.255,18.583 cw(c68.077,18.301) 67.463,18.915
  Bottom Layer w0.6: v2(67.208,16.95) 69.456,14.702 cw(c67.66,12.906) 70.2,12.906 70.2,11.6 ccw(c71.98,11.6) 71.98,9.82 P2.2 P2.2@75.96,9.82
SCL: P4.3 R19.1 U1.4 | length 7.8
  Top Layer w0.8: U1.4 R19.1@63.56,39.615
  Bottom Layer w0.8: P4.3 63.16,39.89 v3(63.425,39.625)
SDA: P4.4 R20.1 U1.5 | length 8
  Top Layer w0.8: R20.1 60.776,39.449 cw(c58.98,37.653) 61.52,37.653 U1.5
  Bottom Layer w0.8: P4.4 60.62,39.755 v3(60.675,39.7)
TXD: P2.3 R16.2 U1.16 | length 12.4
  Top Layer w0.6: R16.2@69.53,16.97 U1.16
  Bottom Layer w0.6: v2(69.55,16.925) 71.263,15.212 cw(c69.815,13.764) 71.838,14.083 cw(c69.815,13.764) 71.862,13.764 ccw(c74.099,14.099) 72.098,13.046 72.277,12.866 ccw(c73.5,14.089) 73.5,12.36 P2.3 P2.3@75.96,12.36
VCC: C1.1 C8.1 D1.2 IC1.8 M1.3 RL1.5 | length 42.5
  Top Layer w1: v4(31,30) 31,18.886 ccw(c32.336,18.886) 32.336,17.55 RL1.5
  Bottom Layer w0.5: C8.1 32.831,30.05 IC1.8
  Bottom Layer w1.2: RL1.5 40.5,17.55 ; D1.2 40.6,17.307 ccw(c40.257,17.307) 40.5,17.55 ; v2(50.93,24.345) M1.3 45.416,24.345 ccw(c45.416,22.484) 44.1,23.8 43.944,23.644 ccw(c45.74,21.848) 43.2,21.848 43.2,19.402 cw(c40.66,19.402) 42.846,18.109 cw(c41.496,19.459) 41.496,17.55 40.5,17.55
pads on no net: RL1.2 S1.0 S2.0
copper on no net: | length 1.2
  Bottom Layer w0.6: v1(63.25,10.5) 63.75,10.5 v1(63.75,9.75)

## Polygon pours and split planes (outlines as drawn)
GND on Bottom Layer "BOT-GND" (solid, pour order 6): 25,47 72.5,47 72.5,38 71,38 71,19 78.5,19 78.5,6 72.5,6 72.5,0 55,0 55,20 42.25,20 25,20
GND on Top Layer "TOP-GND" (solid, pour order 4): 25,47 72.5,47 72.5,38 71,38 71,19 78.5,19 78.5,6 72.5,6 72.5,0 55,0 55,20 42.25,20 25,20

## Keep-outs
Keep-Out Layer:
  the board outline again, w0.254

## Other copper
Top Layer:
  region: 30.25,30.75 32,30.75 32,29 30.25,29
  region net NetCON1_1: 12,22 12,17.6 cw(c11.4,17.6) 11.4,17 6.6,17 ccw(c6.6,16.4) 6,16.4 6,9 ccw(c7.365,8.865) 7.5,7.5 10.8,7.5 cw(c10.8,6.8) 11.5,6.8 11.5,3.8 ccw(c12.3,3.8) 12.3,3 46.1,3 ccw(c46.1,3.7) 46.8,3.7 46.8,6.4 cw(c47.4,6.4) 47.4,7 51.3,7 cw(c51.3,6.3) 52,6.3 52,1.1 cw(c51.4,1.1) 51.4,0.5 10.2,0.5 7.5,0.5 cw(c7.447,1.447) 6.5,1.5 6.5,4.5 ccw(c5.407,4.407) 5.5,5.5 cw(c4.5,76.191) 3.5,5.5 cw(c3.39,6.39) 2.5,6.5 2.5,8.2 2.5,21.9 cw(c3.1,21.9) 3.1,22.5 11.5,22.5 cw(c11.5,22)
  region net NetCON1_2: 8.6,14.5 17.4,14.5 cw(c17.4,13.9) 18,13.9 18,9.6 cw(c17.4,9.6) 17.4,9 8.7,9 cw(c8.7,9.7) 8,9.7 8,13.9 cw(c8.6,13.9)
Bottom Layer:
  region: 30.25,30.75 32.5,30.75 32.5,31 33.25,31 33.25,28.75 30.25,28.75
  region net GND: 36.25,36 39.25,36 39.25,32.5 36.25,32.5
  region net GND: 21.25,11.5 25.5,11.5 25.5,4.25 cw(c25,4.25) 25,3.75 21.75,3.75 cw(c21.75,4.25) 21.25,4.25
  region net 3V3: 55.7,25.3 55.2,25.8 cw(c55.468,26.253) 55.352,26.765 cw(c55.48,26.2) 55.89,26.61 56.6,25.9 56.6,25.3
  region net NetC4_2: 21.3,12.2 21.3,18.9 cw(c22,18.9) 22,19.6 24.9,19.6 cw(c24.9,18.9) 25.6,18.9 25.6,12.2
  region net NetP1_1: 29.9,14.2 36.2,14.2 cw(c36.2,13.4) 37,13.4 37,9.3 cw(c36.4,9.3) 36.4,8.7 29.8,8.7 cw(c29.8,9.5) 29,9.5 29,13.3 cw(c29.9,13.3)
  region net NetCON1_1: 12,22 12,17.6 cw(c11.4,17.6) 11.4,17 6.6,17 ccw(c6.6,16.4) 6,16.4 6,9 ccw(c7.365,8.865) 7.5,7.5 10.8,7.5 cw(c10.8,6.8) 11.5,6.8 11.5,3.8 ccw(c12.3,3.8) 12.3,3 46.1,3 ccw(c46.1,3.7) 46.8,3.7 46.8,6.4 cw(c47.4,6.4) 47.4,7 51.3,7 cw(c51.3,6.3) 52,6.3 52,1.1 cw(c51.4,1.1) 51.4,0.5 10.2,0.5 7.5,0.5 cw(c7.447,1.447) 6.5,1.5 6.5,4.5 ccw(c5.407,4.407) 5.5,5.5 cw(c4.5,76.191) 3.5,5.5 cw(c3.39,6.39) 2.5,6.5 2.5,8.2 2.5,21.9 cw(c3.1,21.9) 3.1,22.5 11.5,22.5 cw(c11.5,22)
  region net NetCON1_2: 8.6,14.5 17.4,14.5 cw(c17.4,13.9) 18,13.9 18,9.6 cw(c17.4,9.6) 17.4,9 8.7,9 cw(c8.7,9.7) 8,9.7 8,13.9 cw(c8.6,13.9)
  region net NetCON2_2: 7.6,29.5 17.7,29.5 ccw(c17.7,30) 18.2,30 18.2,35.1 cw(c18.6,35.1) 18.6,35.5 20,35.5 cw(c20,35) 20.5,35 20.5,25.5 cw(c20,25.5) 20,25 7.6,25 cw(c7.6,25.6) 7,25.6 7,28.9 cw(c7.6,28.9)
  region net NetCV1_2: 14.5,45.5 16.5,45.5 cw(c16.5,45) 17,45 17,41.5 ccw(c17.5,41.5) 17.5,41 20.4,41 cw(c20.4,40.4) 21,40.4 21,38.6 cw(c20.4,38.6) 20.4,38 17,38 ccw(c17,37.5) 16.5,37.5 16.5,34 cw(c16,34) 16,33.5 14.6,33.5 cw(c14.6,34.1) 14,34.1 14,45 cw(c14.5,45)
  region net NetCON2_1: 9.1,45.5 11,45.5 cw(c11,45) 11.5,45 11.5,33 cw(c11,33) 11,32.5 7.5,32.5 cw(c7.5,33) 7,33 7,37 cw(c7.5,37) 7.5,37.5 8,37.5 ccw(c8,38) 8.5,38 8.5,44.9 cw(c9.1,44.9)

## Silkscreen, mask and mechanical layers (free items; w line width, h text height)
Top Overlay:
  text "one-wire" at 39,45.9 h0.8
  text "I2C-OLED" at 61.25,45.775 h0.8
  text "Supply 220VAC-5VDC" at 17.9,42.475 h0.8
  text "220VAC" at 2,39.525 h0.8
  text "Prog" at 75,16.75 h0.8
  text "RELAY" at 14.175,15.35 h0.8 r90
  text "Boot" at 72.125,7.15 h0.8
  text "ZMCT103C" at 19.525,1.275 h0.8
Top Solder:
  lines w2: 4.2,9.7 4.2,8.549 ccw(c6.249,8.549) 4.8,7.1 4.934,6.966 ccw(c6.3,8.331) 6.3,6.4 ; 4.2,11.6 4.2,16.53 cw(c7.266,16.53) 5.098,18.698 5.187,18.787 cw(c7.355,16.619) 7.355,19.685 10.033,19.685 ; 4.2,11.9 4.2,8.993 ccw(c6.597,8.993) 4.902,7.298 ccw(c7.07,9.466) 7.07,6.4 7.251,6.4 cw(c7.251,4.351) 8.7,5.8 cw(c7.493,4.593) 9.2,4.593 9.2,3.649 ccw(c11.249,3.649) 9.8,2.2 ccw(c11.007,3.407) 11.007,1.7 12.8,1.7 47.21,1.7 ccw(c47.21,4.09) 48.9,2.4 48.919,2.419 ccw(c46.751,4.587) 49.817,4.587 49.817,5.358
  lines w3: 10.033,12.065 15.043,12.065 cw(c15.043,11.843) 15.2,12 ; 34.974,11.5 cw(c34.974,11.343) 35.085,11.454
  lines w3.5: 31,11.5 34.974,11.5
Bottom Solder:
  lines w2: 4,9.67 4,17.128 cw(c6.345,17.128) 4.687,18.787 cw(c6.855,16.619) 6.855,19.685 10.033,19.685 7.355,19.685 ; 4,9.9 4,8.649 ccw(c6.049,8.649) 4.6,7.2 ccw(c6.29,8.89) 6.29,6.5 7.1,6.5 ; 49.817,5.358 49.817,4.387 cw(c46.751,4.387) 48.919,2.219 48.9,2.2 cw(c47.693,3.407) 47.693,1.7 10.766,1.7 cw(c10.766,3.066) 9.8,2.1 ; 7.1,6.5 cw(c7.1,4.327) 8.636,5.864 cw(c7.276,4.503) 9.2,4.503 9.2,3.549 ccw(c11.249,3.549) 9.8,2.1 ; 7.1,6.5 8.276,6.5 cw(c8.276,5.476) 9,6.2 cw(c8.276,5.476) 9.3,5.476 9.3,3.307 ccw(c11.007,3.307) 9.8,2.1
  lines w3: 10.033,12.065 13.153,12.065 cw(c13.153,9.453) 15,11.3 ; 31.1,11.3 34.713,11.3 ccw(c34.713,11.826) 35.085,11.454
Mechanical 13:
  lines w0.1: -1.5,39.5 17.5,39.5 ; -1,7.5 17.5,7.5 ; 61,17.5 78.5,17.5 ; 61,39.5 80.5,39.5
Mechanical 15:
  lines w0.1: -1,1 79.5,1 ; -1,46 79.5,46 ; 0,1 0,7.5 17.5,7.5 17.5,39.5 0,39.5 0,46 ; 78.5,1 78.5,17.5 61,17.5 61,39.5 78.5,39.5

## Text inside footprints (layer, text, board x,y; h text height)
CON1: Top Overlay "HB9500 300V-20A" at 9.779,23.558 h1.02 r270
CON2: Top Overlay "HB9500 300V-20A" at 9.779,38.798 h1.02 r270
LED1: Top Overlay "K" at 59.47,13.465 h0.76 r90; Mechanical 15 "K" at 59.47,13.465 h0.76 r90
LED3: Top Overlay "K" at 68.07,13.465 h0.76 r90; Mechanical 15 "K" at 68.07,13.465 h0.76 r90
U1: Mechanical 13 "CUTOUT POLYGON" at 76.866,36.373 h0.7 r270; Mechanical 13 "ANTENNA AREA" at 77.374,36.373 h0.7 r270